# KiCad board SmallDSPMaxi.kicad_pcb (continued)
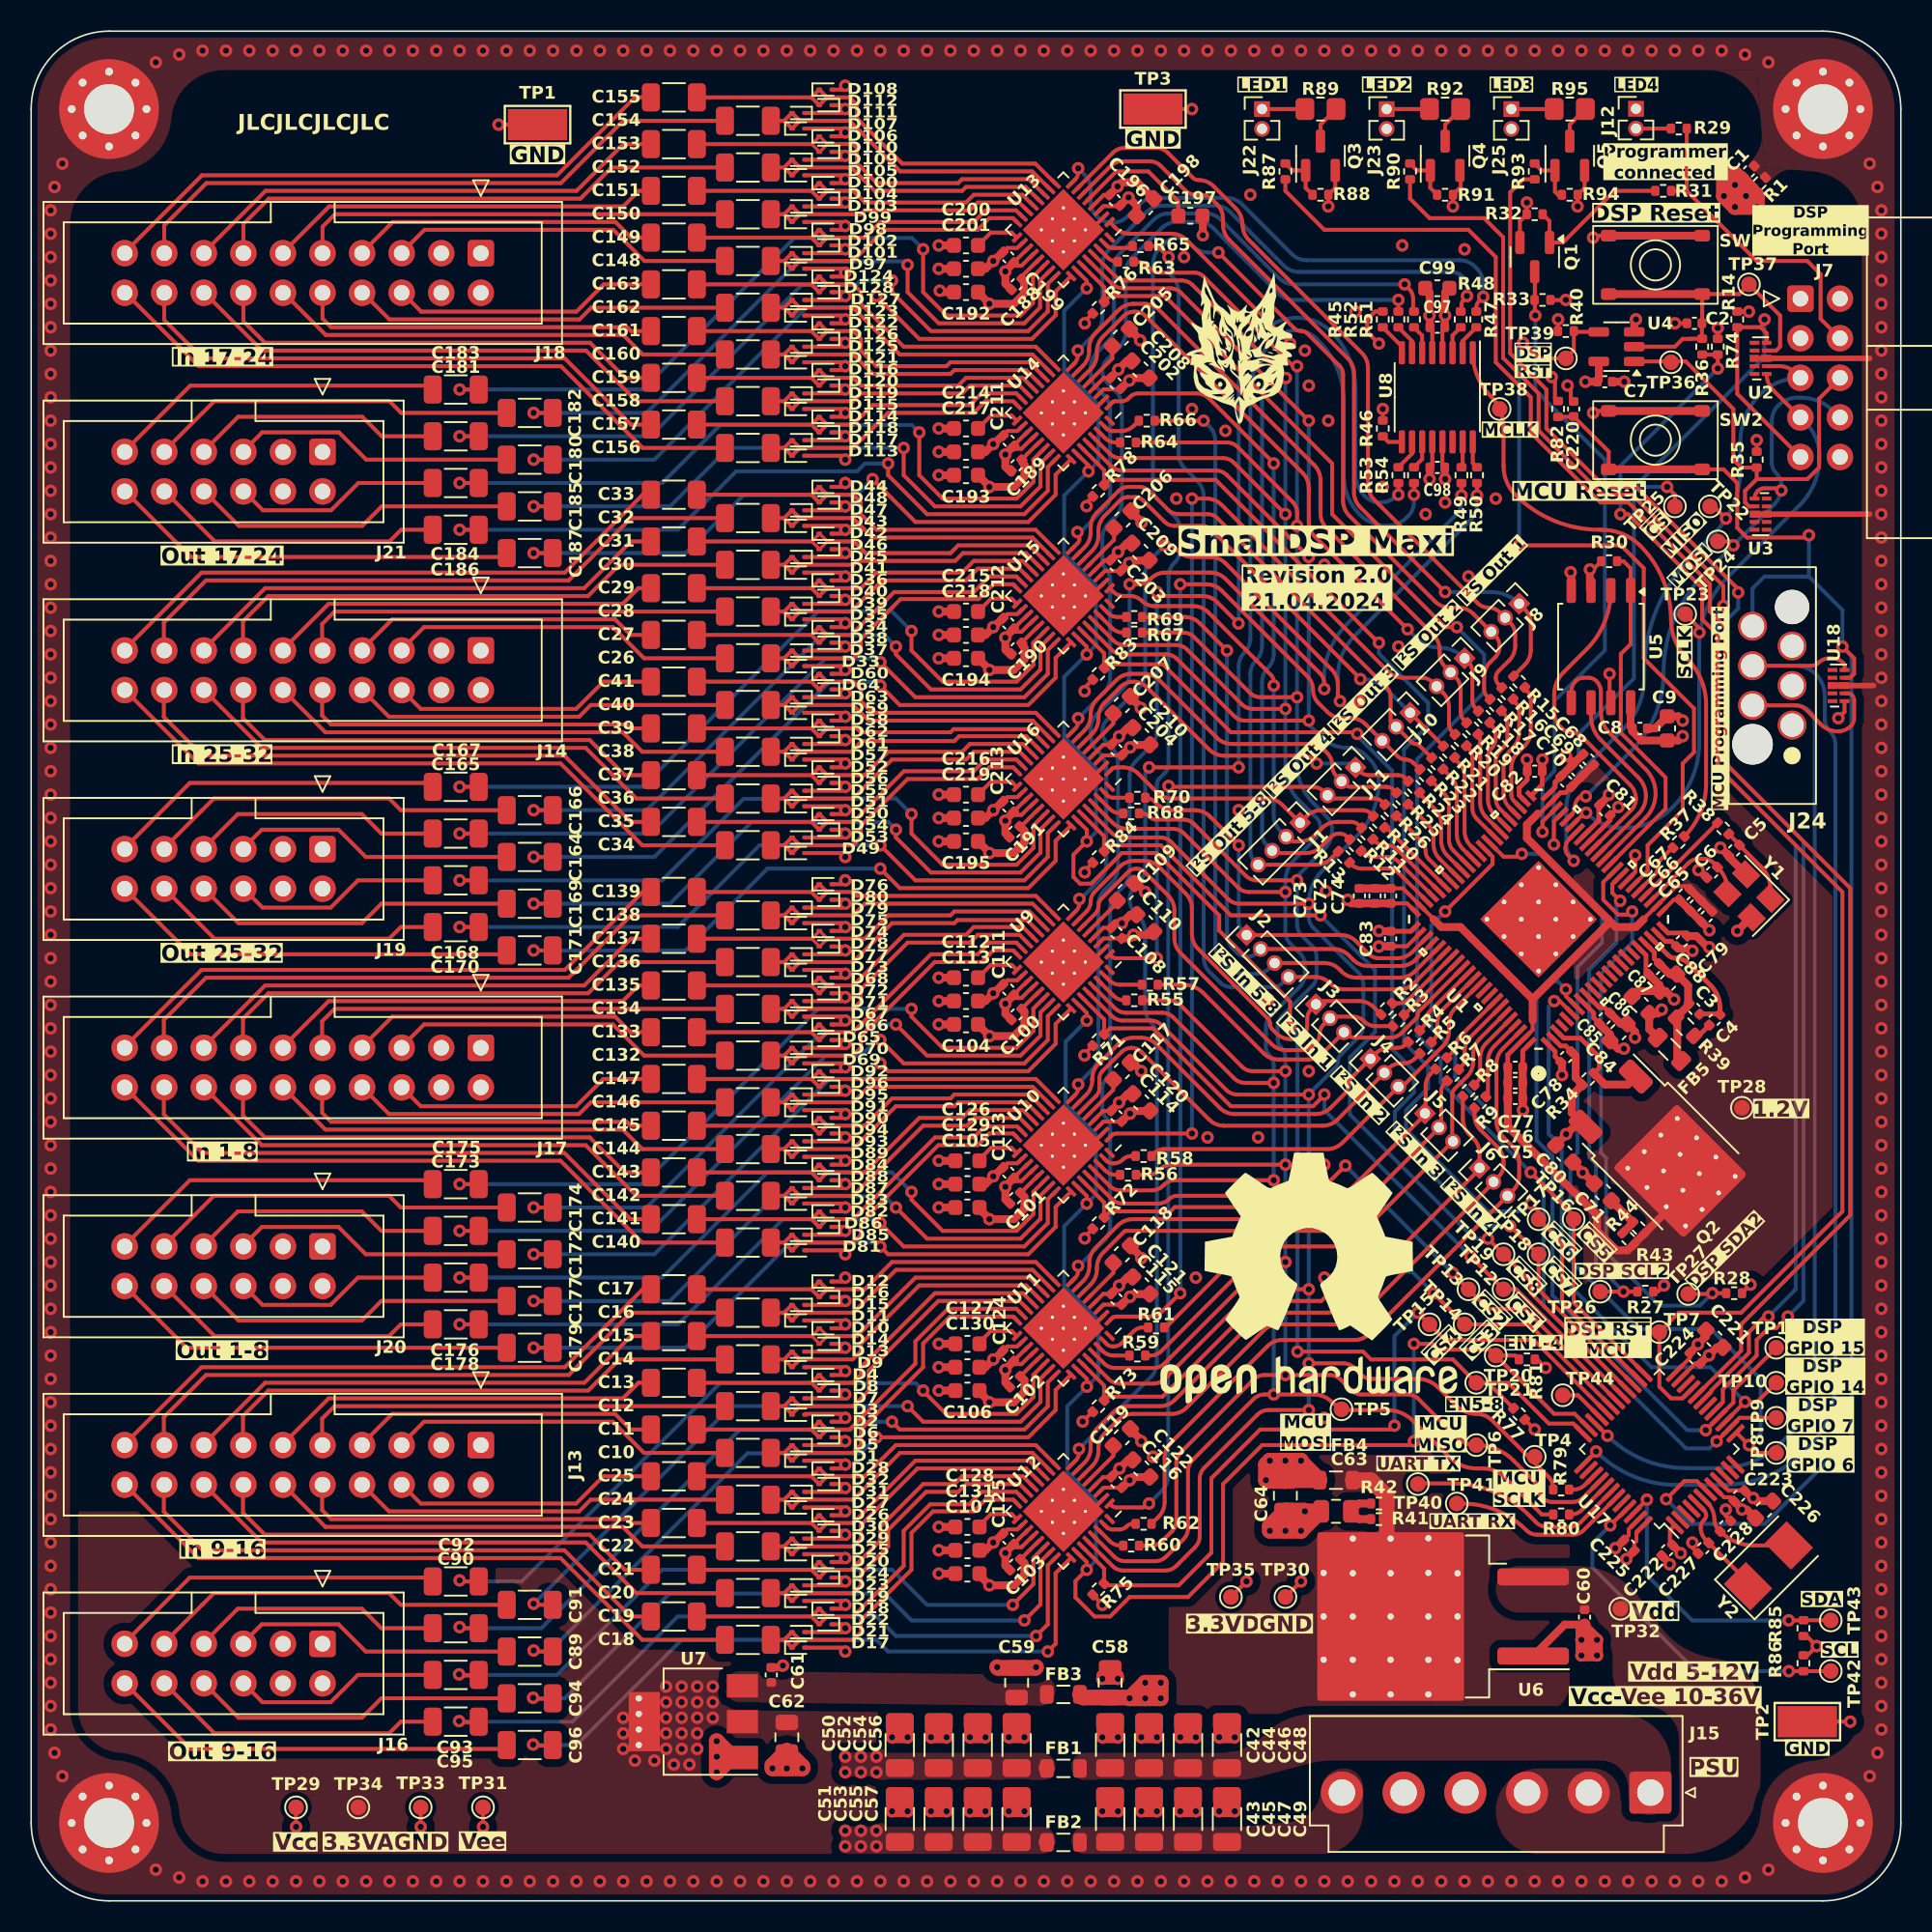
[diagram p0: board, top side]
## Routing (per net, layer and track width the routed paths; a pad name or vN(x,y) marks a point on that pad's centre or on a via; arc(x,y) is an arc through that point) (continued)
  Top w0.3: C82.2 96.98,71.65 U1.45 ; U1.18 103.64,60.7 103.64,59.64 C87.2 ; C78.2 97.81,54.19 97.81,54.51 U1.1 ; U1.88 95.73,54.56 C77.2 ; v1(101.87,70.2) 101.34,69.68 C81.2 101.34,69.36 U1.36 ; U1.67 88.56,62.23 C83.2 ; C85.2 100.29,56.66 100.29,56.99 U1.8 ; C70.2 97.81,71.81 97.81,71.49 U1.44 ; U1.21 104.88,61.59 105.26,61.59 C79.2
  Top w0.5: C188.2 62.53,103.79 v1(62.53,104.58) ; C60.2 98.42,17.73 U6.1 ; C113.2 v1(58.25,57.75) ; C69.2 99.59,73.59 ; C69.2 C70.2 ; C69.2 98.89,73.11 v1(98.5,73.5) ; C191.2 62.53,68.52 v1(62.53,69.33) ; 63.04,93.37 62.53,92.86 ; C78.2 98.25,53.75 v1(98.25,53) ; v1(48.25,15.1) 48.13,14.98 C61.2 ; C112.2 v1(58.25,59.25) ; C82.2 96.98,73.23 v1(97,73.25) ; v1(84.5,64.25) 84.73,64.02 C72.2 86,64.02 ; C100.2 62.53,56.93 v1(62.53,57.58) ; C216.2 v1(58.25,71) ; C122.2 70.4,28.3 v1(69.85,27.75) 69.32,27.22 ; C200.2 v1(58.25,106.25) ; C194.2 v1(58.25,79.75) ; v1(71.25,29.5) 71.25,29.57 70.53,30.28 ; C98.2 89.77,91.27 v1(89.75,91.25) ; Y1.4 110.37,63.12 v1(109.5,62.25) ; v1(58.32,103.34) 58.41,103.25 C192.2 ; C8.2 104.22,75.25 C9.2 105.73,76.03 v1(106,75.75) ; v1(62.53,22.33) 62.53,21.52 62.77,21.27 ; 69.31,74.19 69.82,74.71 v1(69.82,74.74) 70.37,75.28 70.69,75.28 ; 63.04,46.37 62.53,45.86 ; C202.2 69.78,98.26 v1(69.78,98.28) 70.32,98.83 C208.2 ; C205.2 71.18,100.19 ; Y1.2 108.96,66.99 C5.2 108.45,67.6 v1(108.42,67.6) ; 70.63,87.12 70.31,87.12 v1(69.76,86.57) 69.76,86.54 69.25,86.03 ; C67.2 C66.2 C65.2 107.71,62.32 v1(107.71,62.29) ; C219.2 v1(58.25,69.5) ; v1(107,66.16) 107.06,66.16 C6.2 ; C214.2 v1(58.25,94.5) ; 59.22,22.5 v1(58.25,22.5) ; 62.77,33.02 62.53,33.27 v1(62.53,34.08) ; v1(86.5,62.25) 86.52,62.23 C83.2 ; 70.95,65.3 v1(71.5,64.75) ; C201.2 v1(58.25,104.75) ; C221.2 108.19,35.52 v1(107.68,35.01) 107.65,35.01 C224.1 ; C218.2 v1(58.25,81.25) ; C195.2 v1(58.25,68) ; v1(95.75,50.75) 95.73,50.77 C75.2 C76.2 C77.2 ; C74.2 86,64.02 ; 86,64.02 C73.2 ; 59.22,35.75 v1(58.25,35.75) ; C79.2 105.74,61.11 106.49,61.11 v1(106.62,60.97) ; C97.2 89.77,101.73 v1(89.75,101.75) 89.75,103.22 C99.2 ; v1(71.25,41.25) 71.25,41.32 70.53,42.03 ; C226.2 110.12,25.11 v1(109.8,25.11) 109.8,25.14 C223.1 ; 59.22,21 v1(58.25,21) ; C222.1 105.16,21.66 v1(105.16,21.6) ; v1(105.45,57.85) 104.91,58.39 103.09,58.39 C86.2 ; U4.3 102.89,101.39 v1(103,101.5) ; C85.2 101.33,55.62 C84.2 101.84,54.69 v1(102.23,54.69) ; v1(98.81,85.27) 98.84,85.23 U5.4 ; C7.2 v1(102.25,97.5) ; 69.31,38.94 69.82,39.46 v1(69.82,39.49) 70.37,40.03 70.69,40.03 ; 59.22,44.5 v1(58.25,44.5) ; C193.2 v1(58.25,91.5) ; C196.2 69.73,110.01 v1(69.73,110.03) 69.99,110.3 71,110.3 C198.2 ; v1(62.53,81.08) 62.53,80.29 62.91,79.91 ; v1(62.53,92.83) 62.53,92.04 62.91,91.66 ; SW1.1 SW1.1 ; 110.41,109.78 110.58,109.95 110.58,109.99 C1.2 109.38,110.13 ; C108.2 69.61,62.75 v1(70,62.75) 70.55,63.3 C110.2 ; v1(75.2,106.9) 75.2,108.12 ; 63.04,81.62 62.53,81.11 ; C88.2 104.51,58.78 C87.2 ; C71.2 99.62,46.74 v1(99.58,46.74) 99.58,46.78 C80.2 ; 63.04,69.87 62.53,69.36 ; 59.22,46 v1(58.25,46) ; SW2.1 SW2.1 ; C217.2 v1(58.25,93) ; 69.31,50.69 69.82,51.21 v1(69.82,51.24) 70.37,51.78 70.69,51.78 ; 63.04,58.12 62.53,57.61 ; 70.53,77.28 71.22,76.59 ; C225.1 101.7,22.64 v1(101.67,22.64) ; 63.04,105.12 62.53,104.61 ; C104.2 v1(58.25,56.25) ; 59.22,32.75 v1(58.25,32.75) ; C215.2 v1(58.25,82.75) ; 62.77,44.77 62.53,45.02 v1(62.53,45.83) ; 59.22,24 v1(58.25,24) ; 63.04,34.62 62.53,34.11 ; 63.04,22.87 62.53,22.36 ; 70.58,89.19 71.27,88.5 ; 59.22,34.25 v1(58.25,34.25) ; 59.22,47.5 v1(58.25,47.5) ; 70.7,53.8 v1(71.25,53.25)
  Top w0.75: C50.2 56.25,10.98 v1(56.25,10.5) ; C50.2 55.75,11 ; C50.2 55.25,10.98 v1(55.25,10.5) ; v1(71.25,5.75) v1(72.25,5.75) ; v1(71.25,5.75) 71.25,6.23 C45.2 ; v1(71.25,5.75) 71.75,6.25 ; v1(72.25,5.75) 72.25,6.23 C45.2 ; v1(72.25,5.75) 71.75,6.25 ; C55.2 61.25,6.23 v1(61.25,5.75) ; C55.2 60.25,6.23 v1(60.25,5.75) ; C55.2 60.75,6.25 ; v1(63.75,10.5) 63.75,10.98 C56.2 ; v1(63.75,10.5) 63.25,11 ; v1(63.75,10.5) v1(62.75,10.5) ; v1(99.5,16.75) v1(100.5,15.75) ; v1(99.5,16.75) v1(100.5,16.75) ; v1(99.5,16.75) v1(99.5,15.75) v1(100.5,15.75) ; v1(99.5,16.75) 99.5,17.53 C60.2 99.7,17.55 v1(100.5,16.75) ; v1(100.5,15.75) v1(100.5,16.75) ; C48.2 76.75,11 ; C48.2 77.25,10.98 v1(77.25,10.5) ; C48.2 76.25,10.98 v1(76.25,10.5) ; 76.75,11 v1(76.25,10.5) ; 76.75,11 v1(77.25,10.5) ; v1(57.75,10.5) v1(58.75,10.5) ; v1(57.75,10.5) 58.25,11 ; v1(57.75,10.5) 57.75,10.98 C52.2 ; v1(58.75,10.5) 58.25,11 ; v1(58.75,10.5) 58.75,10.98 C52.2 ; 58.25,11 C52.2 ; C51.2 55.75,6.25 ; C51.2 55.25,6.23 v1(55.25,5.75) ; C51.2 56.25,6.23 v1(56.25,5.75) ; 55.75,6.25 v1(55.25,5.75) ; 55.75,6.25 v1(56.25,5.75) ; v1(56.25,5.75) v1(55.25,5.75) ; 100.45,16.8 v1(100.5,16.75) ; v1(69.75,5.75) 69.75,6.23 C43.2 ; v1(69.75,5.75) v1(68.75,5.75) ; v1(69.75,5.75) 69.25,6.25 ; C54.2 61.25,10.98 v1(61.25,10.5) ; C54.2 60.75,11 ; C54.2 60.25,10.98 v1(60.25,10.5) ; v1(62.75,5.75) 62.75,6.23 C57.2 ; v1(62.75,5.75) 63.25,6.25 ; v1(62.75,5.75) v1(63.75,5.75) ; C56.2 63.25,11 ; C56.2 62.75,10.98 v1(62.75,10.5) ; 60.75,11 v1(61.25,10.5) ; 60.75,11 v1(60.25,10.5) ; v1(61.25,10.5) v1(60.25,10.5) ; v1(73.75,10.5) v1(74.75,10.5) ; v1(73.75,10.5) 73.75,10.98 C46.2 ; v1(73.75,10.5) 74.25,11 ; v1(74.75,10.5) 74.75,10.98 C46.2 ; v1(74.75,10.5) 74.25,11 ; 60.75,6.25 v1(60.25,5.75) ; 60.75,6.25 v1(61.25,5.75) ; 69.25,6.25 v1(68.75,5.75) ; 69.25,6.25 C43.2 ; v1(68.75,5.75) 68.75,6.23 C43.2 ; v1(68.75,10.5) v1(69.75,10.5) ; v1(68.75,10.5) 68.75,10.98 C42.2 ; v1(68.75,10.5) 69.25,11 ; v1(69.75,10.5) 69.75,10.98 C42.2 ; v1(69.75,10.5) 69.25,11 ; v1(55.25,10.5) v1(56.25,10.5) ; v1(55.25,10.5) 55.75,11 ; v1(56.25,10.5) 55.75,11 ; C58.2 69.75,14.45 v1(69.75,14.25) ; C58.2 68.75,14.45 v1(68.75,14.25) ; C58.2 69.25,14.75 ; v1(76.25,5.75) v1(77.25,5.75) ; v1(76.25,5.75) 76.75,6.25 ; v1(76.25,5.75) 76.25,6.23 C49.2 ; v1(77.25,5.75) 77.25,6.23 C49.2 ; v1(77.25,5.75) 76.75,6.25 ; v1(71.25,10.5) v1(72.25,10.5) ; v1(71.25,10.5) 71.25,10.98 C44.2 ; v1(71.25,10.5) 71.75,11 ; v1(72.25,10.5) 71.75,11 ; v1(72.25,10.5) 72.25,10.98 C44.2 ; 69.25,14.75 v1(69.75,14.25) ; 69.25,14.75 v1(68.75,14.25) ; v1(69.75,14.25) v1(68.75,14.25) ; v1(76.25,10.5) v1(77.25,10.5) ; v1(60.25,5.75) v1(61.25,5.75) ; v1(73.75,5.75) v1(74.75,5.75) ; v1(73.75,5.75) 73.75,6.23 C47.2 ; v1(73.75,5.75) 74.25,6.25 ; v1(74.75,5.75) 74.25,6.25 ; v1(74.75,5.75) 74.75,6.23 C47.2 ; 63.25,11 v1(62.75,10.5) ; C49.2 76.75,6.25 ; 63.25,6.25 v1(63.75,5.75) ; 63.25,6.25 C57.2 ; v1(63.75,5.75) 63.75,6.23 C57.2 ; C46.2 74.25,11 ; C44.2 71.75,11 ; 58.25,6.25 v1(58.75,5.75) ; 58.25,6.25 C53.2 ; 58.25,6.25 v1(57.75,5.75) ; v1(58.75,5.75) v1(57.75,5.75) ; v1(58.75,5.75) 58.75,6.23 C53.2 ; C47.2 74.25,6.25 ; 69.25,11 C42.2 ; 71.75,6.25 C45.2 ; C53.2 57.75,6.23 v1(57.75,5.75)
  Top w1: C64.2 81.7,25.05 v1(81.75,25) ; C64.2 79.5,24.05 v1(79.5,23.75) v1(81.5,23.75) ; C64.2 v1(80.5,23.75) ; C64.2 81.5,24.05 v1(81.5,23.75) ; v1(110.77,108.72) 110.77,109.42 110.41,109.78 v1(110.06,109.42) ; v1(110.77,108.72) v1(109.35,108.72) ; v1(110.77,108.72) v1(110.06,109.42) ; v1(108.64,110.84) v1(108.64,109.42) ; v1(108.64,110.84) 109.35,110.84 109.72,110.47 ; v1(108.64,110.84) 108.84,110.65 ; v1(108.64,110.84) v1(109.35,110.13) ; v1(108.64,109.42) v1(109.35,108.72) ; v1(108.64,109.42) v1(109.35,110.13) ; v1(62,15) 62.05,14.95 C59.2 64.45,14.95 v1(64.5,15) ; U7.1 44.05,9.2 v1(44,9.25) ; U7.1 45.05,9.2 v1(44,10.25) v1(44,8.25) 44.95,9.2 U7.1 ; v1(81.75,25) C63.2 82.75,25 v1(81.5,23.75) ; v1(81.75,25) 81.5,24.75 v1(81.5,23.75) ; v1(109.35,110.13) 109.38,110.13 110.06,109.45 v1(110.06,109.42) ; v1(109.35,108.72) v1(110.06,109.42) ; v1(48.5,8.5) v1(47.58,8.5) 47.58,8.7 48.5,9.63 ; v1(48.5,8.5) v1(49.5,8.5) 49.5,8.62 48.5,9.63 ; v1(48.5,8.5) 48.5,9.63
  In1.Cu w0.5: J7.10 116.09,90.81
  vias: v1(71.18,100.16) v1(71.22,76.56) v1(71.27,88.47) v1(72,28.5) v1(73.5,90) v1(74,105.5) v1(74.5,95.75) v1(74.75,40) v1(75.5,49) v1(76.65,94.35) v1(76.75,42) v1(77.5,70) v1(78.25,109.5) v1(78.75,49) v1(79.4,57.85) v1(81.75,99.5) v1(82,97.25) v1(82,53.25) v1(83,85.75) v1(83,47.25) v1(83,40) v1(83,31) v1(83.1,64.8) v1(83.25,95) v1(85,102) v1(85.25,77) v1(86.75,90.75) v1(87.75,80.5) v1(88,106.25) v1(89.5,89) v1(90.75,89.75) v1(92,106) v1(92.25,85) v1(94,90) v1(96,109)
VCC: length 1.3
  Top w0.25: TP29.1 v1(17,4.75)
  Top w1: 65.16,8.52 FB1.2
  vias: v1(52.25,9.25) v1(52.25,8.25) v1(53.25,9.25) v1(53.25,8.25) v1(54.25,9.25) v1(54.25,8.25)
VEE: length 1.3
  Top w0.25: TP31.1 v1(29,4.75)
  Top w1: 65.16,3.77 FB2.2
  vias: v1(52.25,4.5) v1(52.25,3.5) v1(53.25,4.5) v1(53.25,3.5) v1(54.25,4.5) v1(54.25,3.5)
/Codecs 1-4/Analog Inputs1/In L1+: length 22.2
  Top w0.25: 44.5,54.25 39.34,54.25 37.34,56.25 25.22,56.25 23.76,54.79
/Codecs 1-4/Analog Inputs1/In L1-: length 19.8
  Top w0.25: 21.22,54.79 23.17,56.75 37.47,56.75 38.47,55.75 39.75,55.75
/Codecs 1-4/Analog Inputs1/In L2+: length 34.2
  Top w0.25: 44.5,60.25 37.75,60.25 35.75,58.25 15.22,58.25 13.59,56.62 13.59,54.79
/Codecs 1-4/Analog Inputs1/In L2-: length 31.6
  Top w0.25: 39.75,61.75 38.5,61.75 35.5,58.75 15.01,58.75 11.05,54.79
/Codecs 1-4/Analog Inputs1/In L3+: length 42.7
  Top w0.25: 44.5,42.25 39.22,42.25 33.97,47.5 10.72,47.5 5.97,52.25
/Codecs 1-4/Analog Inputs1/In L3-: length 35.8
  Top w0.25: 8.52,52.25 8.52,50.48 11,48 34.22,48 38.47,43.75 39.75,43.75
/Codecs 1-4/Analog Inputs1/In L4+: length 30
  Top w0.25: 44.5,48.25 39.22,48.25 37.97,49.5 18.89,49.5 16.14,52.25
/Codecs 1-4/Analog Inputs1/In L4-: length 23.1
  Top w0.25: 18.67,52.25 18.67,50.58 19.25,50 38.22,50 38.47,49.75 39.75,49.75
/Codecs 1-4/Analog Inputs1/In R1+: length 27.8
  Top w0.25: 18.67,54.79 18.67,56.45 19.47,57.25 C134.1
/Codecs 1-4/Analog Inputs1/In R1-: length 25.3
  Top w0.25: 39.75,58.75 38.97,58.75 37.97,57.75 19.09,57.75 16.14,54.79
/Codecs 1-4/Analog Inputs1/In R2+: length 40.5
  Top w0.25: 8.52,54.79 8.52,56.54 11.22,59.25 34.5,59.25 38.5,63.25 44.5,63.25
/Codecs 1-4/Analog Inputs1/In R2-: length 37.9
  Top w0.25: 5.97,54.79 10.94,59.75 34.25,59.75 39.25,64.75 39.75,64.75
/Codecs 1-4/Analog Inputs1/In R3+: length 36.3
  Top w0.25: 11.06,52.25 14.81,48.5 35.59,48.5 38.84,45.25 44.5,45.25
/Codecs 1-4/Analog Inputs1/In R3-: length 29.5
  Top w0.25: 13.59,52.25 13.59,50.41 15,49 35.85,49 38.1,46.75 39.75,46.75
/Codecs 1-4/Analog Inputs1/In R4+: length 24.3
  Top w0.25: 21.22,52.25 22.97,50.5 35.17,50.5 35.92,51.25 44.5,51.25
/Codecs 1-4/Analog Inputs1/In R4-: length 17.2
  Top w0.25: 23.75,52.25 25,51 34.97,51 36.72,52.75 39.75,52.75
/Codecs 1-4/Analog Inputs2/In L1+: length 22.2
  Top w0.25: 23.76,29.29 25.22,30.75 37.34,30.75 39.34,28.75 44.5,28.75
/Codecs 1-4/Analog Inputs2/In L1-: length 19.8
  Top w0.25: 21.22,29.29 23.17,31.25 37.47,31.25 38.47,30.25 39.75,30.25
/Codecs 1-4/Analog Inputs2/In L2+: length 34.2
  Top w0.25: 44.5,34.75 37.75,34.75 35.75,32.75 15.22,32.75 13.59,31.12 13.59,29.29
/Codecs 1-4/Analog Inputs2/In L2-: length 31.6
  Top w0.25: 39.75,36.25 38.5,36.25 35.5,33.25 15.01,33.25 11.05,29.29
/Codecs 1-4/Analog Inputs2/In L3+: length 42.7
  Top w0.25: 44.5,16.75 39.22,16.75 33.97,22 10.72,22 5.97,26.75
/Codecs 1-4/Analog Inputs2/In L3-: length 35.8
  Top w0.25: 39.75,18.25 38.47,18.25 34.22,22.5 11,22.5 8.52,24.99 8.52,26.75
/Codecs 1-4/Analog Inputs2/In L4+: length 30
  Top w0.25: 44.5,22.75 39.22,22.75 37.97,24 18.89,24 16.14,26.75
/Codecs 1-4/Analog Inputs2/In L4-: length 23.1
  Top w0.25: 18.67,26.75 18.67,25.07 19.25,24.5 38.22,24.5 38.47,24.25 39.75,24.25
/Codecs 1-4/Analog Inputs2/In R1+: length 27.8
  Top w0.25: 18.67,29.29 18.67,30.95 19.47,31.75 C12.1
/Codecs 1-4/Analog Inputs2/In R1-: length 25.3
  Top w0.25: 39.75,33.25 38.97,33.25 37.97,32.25 19.09,32.25 16.14,29.29
/Codecs 1-4/Analog Inputs2/In R2+: length 40.5
  Top w0.25: 44.5,37.75 38.5,37.75 34.5,33.75 11.22,33.75 8.52,31.04 8.52,29.29
/Codecs 1-4/Analog Inputs2/In R2-: length 37.9
  Top w0.25: 39.75,39.25 39.25,39.25 34.25,34.25 10.94,34.25 5.97,29.29
/Codecs 1-4/Analog Inputs2/In R3+: length 36.3
  Top w0.25: 11.06,26.75 14.81,23 35.59,23 38.84,19.75 44.5,19.75
/Codecs 1-4/Analog Inputs2/In R3-: length 29.5
  Top w0.25: 39.75,21.25 38.1,21.25 35.85,23.5 15,23.5 13.59,24.91 13.59,26.75
/Codecs 1-4/Analog Inputs2/In R4+: length 24.3
  Top w0.25: 44.5,25.75 35.92,25.75 35.17,25 22.97,25 21.22,26.75
/Codecs 1-4/Analog Inputs2/In R4-: length 17.2
  Top w0.25: 39.75,27.25 36.72,27.25 34.97,25.5 25,25.5 23.75,26.75
/Codecs 1-4/Analog Outputs1/Out L1: length 21.3
  Top w0.25: 25.5,46.25 10.18,46.25 5.97,42.04
/Codecs 1-4/Analog Outputs1/Out L2: length 16.1
  Top w0.25: 11.06,42.04 13.26,44.25 21.22,44.25 22.47,43 25.75,43
/Codecs 1-4/Analog Outputs1/Out L3: length 13.4
  Top w0.25: 25.75,40 20.97,40 19.22,38.25 14.85,38.25 13.59,39.5
/Codecs 1-4/Analog Outputs1/Out L4: length 18.9
  Top w0.25: 8.52,39.5 11.77,36.25 22.97,36.25 23.72,37 25.75,37
/Codecs 1-4/Analog Outputs1/Out R1: length 23.6
  Top w0.25: 30.5,44.5 23.72,44.5 22.97,45.25 11.72,45.25 10.97,44.5 10.97,44.5 8.52,42.04
/Codecs 1-4/Analog Outputs1/Out R2: length 18.1
  Top w0.25: 30.5,41.5 21.47,41.5 19.72,43.25 14.8,43.25 13.6,42.04
/Codecs 1-4/Analog Outputs1/Out R3: length 20.9
  Top w0.25: 11.06,39.5 13.31,37.25 21.22,37.25 22.47,38.5 30.5,38.5
/Codecs 1-4/Analog Outputs1/Out R4: length 26
  Top w0.25: 5.97,39.5 9.98,35.5 30,35.5 30.25,35.25
/Codecs 1-4/Analog Outputs2/Out L1: length 21.3
  Top w0.25: 25.5,20.75 10.18,20.75 5.97,16.54
/Codecs 1-4/Analog Outputs2/Out L2: length 16.1
  Top w0.25: 25.75,17.5 22.47,17.5 21.22,18.75 13.26,18.75 11.06,16.54
/Codecs 1-4/Analog Outputs2/Out L3: length 13.4
  Top w0.25: 25.75,14.5 20.97,14.5 19.22,12.75 14.85,12.75 13.59,14
/Codecs 1-4/Analog Outputs2/Out L4: length 18.9
  Top w0.25: 25.75,11.5 23.72,11.5 22.97,10.75 11.77,10.75 8.52,14
/Codecs 1-4/Analog Outputs2/Out R1: length 23.6
  Top w0.25: 8.52,16.54 10.97,19 10.97,19 11.72,19.75 22.97,19.75 23.72,19 30.5,19
/Codecs 1-4/Analog Outputs2/Out R2: length 18.1
  Top w0.25: 30.5,16 21.47,16 19.72,17.75 14.8,17.75 13.6,16.54
/Codecs 1-4/Analog Outputs2/Out R3: length 20.9
  Top w0.25: 11.06,14 13.31,11.75 21.22,11.75 22.47,13 30.5,13
/Codecs 1-4/Analog Outputs2/Out R4: length 26
  Top w0.25: 5.97,14 10.23,9.75 30.25,9.75
/Codecs 1-4/In L1+: length 21
  Top w0.25: 49.33,54.25 52.75,54.25 53.25,54.75 53.25,55.51 57.99,60.26 58,60.25 61,60.25 61.75,61 63.03,61 63.28,60.75 ; 49.33,54.25 D69.2 48.33,54.25 ; 49.33,54.25 D65.1 48.33,54.25 ; 48.33,54.25 C132.2
/Codecs 1-4/In L1-: length 25.3
  Top w0.25: 50.08,55.75 D66.1 51.08,55.75 ; 50.08,55.75 D70.2 51.08,55.75 ; 50.08,55.75 C133.2 ; 51.08,55.75 52.75,55.75 57.75,60.75 60.75,60.75 61.5,61.5 63.24,61.5 63.63,61.1
/Codecs 1-4/In L2+: length 20.5
  Top w0.25: 48.33,60.25 D73.1 49.33,60.25 ; 48.33,60.25 C136.2 ; 48.33,60.25 D77.2 49.33,60.25 ; 49.33,60.25 52.75,60.25 55.25,62.75 59.25,62.75 59.45,62.95 63.91,62.95 64.69,62.16
/Codecs 1-4/In L2-: length 25.3
  Top w0.2: 50.61,61.25 51.11,61.75 50.61,62.25 50.11,61.75 50.61,61.25
  Top w0.25: 65.05,62.52 64.07,63.5 59.25,63.5 59,63.25 55,63.25 53.5,61.75 51.11,61.75 ; 50.11,61.75 C137.2
/Codecs 1-4/In L3+: length 21.5
  Top w0.25: U10.16 63.03,49.25 61.5,49.25 60.75,48.5 58.22,48.5 53.25,43.53 53.25,42.74 52.76,42.25 49.33,42.25 ; 48.33,42.25 D81.1 49.33,42.25 ; 48.33,42.25 D85.2 49.33,42.25 ; 48.33,42.25 C140.2 ; 63.28,49 63.03,49.25
/Codecs 1-4/In L3-: length 25.3
  Top w0.25: 51.08,43.75 D82.1 50.08,43.75 ; 51.08,43.75 D86.2 50.08,43.75 ; 51.08,43.75 52.76,43.75 58.01,49 60.5,49 61.2,49.7 63.29,49.7 63.63,49.35 ; 50.08,43.75 C141.2
/Codecs 1-4/In L4+: length 20.6
  Top w0.25: 48.33,48.25 D93.2 49.33,48.25 ; 48.33,48.25 C144.2 ; 48.33,48.25 D89.1 49.33,48.25 ; 64.69,50.41 63.86,51.25 59.5,51.25 59.25,51 55.5,51 52.75,48.25 49.33,48.25
/Codecs 1-4/In L4-: length 25.4
  Top w0.25: 50.08,49.75 D94.2 51.08,49.75 ; 50.08,49.75 C145.2 ; 50.08,49.75 D90.1 51.08,49.75 ; 51.08,49.75 53.5,49.75 55.25,51.5 59,51.5 59.25,51.75 64.07,51.75 65.05,50.77
/Codecs 1-4/In L5+: length 22.8
  Top w0.25: 48.33,28.75 D5.2 49.33,28.75 ; 48.33,28.75 D1.1 49.33,28.75 ; 48.33,28.75 C10.2 ; 49.33,28.75 52.75,28.75 53.25,29.25 53.25,30.25 57.25,34.25 57.25,35.78 58.97,37.5 63.03,37.5 63.28,37.25
/Codecs 1-4/In L5-: length 27
  Top w0.25: 51.08,30.25 D2.1 50.08,30.25 ; 51.08,30.25 52.53,30.25 56.75,34.47 56.75,35.91 58.84,38 63.24,38 63.63,37.6 ; 51.08,30.25 D6.2 50.08,30.25 ; 50.08,30.25 C11.2
/Codecs 1-4/In L6+: length 21.6
  Top w0.25: 49.33,34.75 D9.1 48.33,34.75 ; 49.33,34.75 52.72,34.75 53.25,35.28 53.25,35.75 57,39.5 63.86,39.5 64.69,38.66 ; 49.33,34.75 D13.2 48.33,34.75 ; 48.33,34.75 C14.2
/Codecs 1-4/In L6-: length 26.1
  Top w0.2: 50.11,36.25 50.61,36.75 51.11,36.25 50.61,35.75 50.11,36.25
  Top w0.25: 65.05,39.02 64.07,40 56.75,40 53,36.25 51.11,36.25 ; 50.11,36.25 C15.2
/Codecs 1-4/In L7+: length 23.3
  Top w0.25: 48.33,16.75 C18.2 ; 48.33,16.75 D17.1 49.33,16.75 ; 48.33,16.75 D21.2 49.33,16.75 ; 63.28,25.5 63.03,25.75 61.25,25.75 60.5,25 57.89,25 56.5,23.61 56.5,21.25 53.25,18 53.25,17.24 52.76,16.75 49.33,16.75
/Codecs 1-4/In L7-: length 27.5
  Top w0.25: 50.08,18.25 D18.1 51.08,18.25 ; 50.08,18.25 D22.2 51.08,18.25 ; 50.08,18.25 C19.2 ; 51.08,18.25 52.75,18.25 56,21.5 56,23.75 57.7,25.45 60.2,25.45 61,26.25 63.24,26.25 63.63,25.85
/Codecs 1-4/In L8+: length 22
  Top w0.25: 49.33,22.75 D25.1 48.33,22.75 ; 49.33,22.75 52.76,22.75 53.25,23.24 53.25,24.11 56.89,27.75 63.86,27.75 64.69,26.91 ; 49.33,22.75 D29.2 48.33,22.75 ; 48.33,22.75 C22.2
/Codecs 1-4/In L8-: length 26.2
  Top w0.25: 51.08,24.25 D26.1 50.08,24.25 ; 51.08,24.25 D30.2 50.08,24.25 ; 51.08,24.25 52.75,24.25 56.75,28.25 64.07,28.25 65.05,27.27 ; 50.08,24.25 C23.2
/Codecs 1-4/In R1+: length 21
  Top w0.25: 48.33,57.25 C134.2 ; 48.33,57.25 D71.2 49.33,57.25 ; 48.33,57.25 D67.1 49.33,57.25 ; 63.99,61.46 63.44,62 60.75,62 60.25,61.5 56.25,61.5 53.25,58.5 53.25,57.74 52.76,57.25 49.33,57.25
/Codecs 1-4/In R1-: length 25.3
  Top w0.25: 50.08,58.75 C135.2 ; 50.08,58.75 D72.2 51.08,58.75 ; 50.08,58.75 D68.1 51.08,58.75 ; 51.08,58.75 52.76,58.75 56.01,62 60,62 60.5,62.5 63.65,62.5 64.34,61.81
/Codecs 1-4/In R2+: length 20.5
  Top w0.25: 65.4,62.87 64.27,64 53.51,64 52.76,63.25 49.33,63.25 ; 48.33,63.25 D75.1 49.33,63.25 ; 48.33,63.25 D79.2 49.33,63.25 ; 48.33,63.25 C138.2
/Codecs 1-4/In R2-: length 25.5
  Top w0.25: C139.2 50.11,64.75 ; 50.11,64.75 50.11,64.78 D76.1 51.08,64.75 ; 50.11,64.75 50.11,64.72 D80.2 51.08,64.75 ; 51.08,64.75 52.75,64.75 53,64.5 64.48,64.5 65.75,63.22
/Codecs 1-4/In R3+: length 20.6
  Top w0.25: 48.33,45.25 C142.2 ; 48.33,45.25 D87.2 49.33,45.25 ; 48.33,45.25 D83.1 49.33,45.25 ; 49.33,45.25 52.75,45.25 57.25,49.75 60.06,49.75 60.56,50.25 63.44,50.25 63.99,49.71
/Codecs 1-4/In R3-: length 25.4
  Top w0.25: 50.08,46.75 C143.2 ; 50.08,46.75 D84.1 51.08,46.75 ; 50.08,46.75 D88.2 51.08,46.75 ; 51.08,46.75 53.5,46.75 57,50.25 59.75,50.25 60.25,50.75 63.65,50.75 64.34,50.06
/Codecs 1-4/In R4+: length 20.6
  Top w0.25: 49.33,51.25 D91.1 48.33,51.25 ; 49.33,51.25 52.76,51.25 53.76,52.25 64.27,52.25 65.4,51.12 ; 49.33,51.25 D95.2 48.33,51.25 ; 48.33,51.25 C146.2
/Codecs 1-4/In R4-: length 25.4
  Top w0.25: 50.08,52.75 D96.2 51.08,52.75 ; 50.08,52.75 D92.1 51.08,52.75 ; 50.08,52.75 C147.2 ; 51.08,52.75 64.48,52.75 65.75,51.47
/Codecs 1-4/In R5+: length 22.1
  Top w0.25: 48.33,31.75 D7.2 49.33,31.75 ; 48.33,31.75 48.83,31.25 49.33,31.75 ; 48.33,31.75 C12.2 ; 49.33,31.75 52.76,31.75 53.75,32.74 53.75,34.02 58.23,38.5 63.44,38.5 63.99,37.96
/Codecs 1-4/In R5-: length 26.4
  Top w0.25: 50.08,33.25 D4.1 51.08,33.25 ; 50.08,33.25 D8.2 51.08,33.25 ; 50.08,33.25 C13.2 ; 51.08,33.25 52.75,33.25 53.25,33.75 53.25,34.25 58,39 63.65,39 64.34,38.31
/Codecs 1-4/In R6+: length 21.4
  Top w0.25: 48.33,37.75 D15.2 49.33,37.75 ; 48.33,37.75 C16.2 ; 48.33,37.75 D11.1 49.33,37.75 ; 65.4,39.37 64.27,40.5 55.51,40.5 52.76,37.75 49.33,37.75
/Codecs 1-4/In R6-: length 26.1
  Top w0.25: 51.08,39.25 D16.2 50.11,39.22 50.11,39.25 ; 51.08,39.25 53.5,39.25 55.25,41 64.48,41 65.75,39.72 ; 51.08,39.25 D12.1 50.11,39.28 50.11,39.25 ; 50.11,39.25 C17.2
/Codecs 1-4/In R7+: length 22.5
  Top w0.25: 48.33,19.75 D23.2 49.33,19.75 ; 48.33,19.75 C20.2 ; 48.33,19.75 D19.1 49.33,19.75 ; 63.99,26.21 63.44,26.75 60,26.75 59.5,26.25 57.44,26.25 55,23.81 55,22.75 53.25,21 53.25,20.24 52.76,19.75 49.33,19.75
/Codecs 1-4/In R7-: length 26.7
  Top w0.25: 50.08,21.25 C21.2 ; 50.08,21.25 D24.2 51.08,21.25 ; 50.08,21.25 D20.1 51.08,21.25 ; 64.34,26.56 63.65,27.25 59.75,27.25 59.25,26.75 57.25,26.75 54.5,24 54.5,23.12 52.62,21.25 51.08,21.25
/Codecs 1-4/In R8+: length 21.5
  Top w0.25: 49.33,25.75 52.76,25.75 55.76,28.75 64.27,28.75 65.4,27.62 ; 49.33,25.75 D31.2 48.33,25.75 ; 49.33,25.75 D27.1 48.33,25.75 ; 48.33,25.75 C24.2
/Codecs 1-4/In R8-: length 26.2
  Top w0.25: 51.08,27.25 D28.1 50.08,27.25 ; 51.08,27.25 D32.2 50.08,27.25 ; 51.08,27.25 53.5,27.25 55.5,29.25 64.48,29.25 65.75,27.97 ; 50.08,27.25 C25.2
/Codecs 1-4/Out L1: length 46.9
  Top w0.25: U9.22 64.32,57.26 64.32,55.83 63.25,54.75 ; v1(56.5,57.25) 56.5,56.75 58.5,54.75 63.24,54.75 ; C175.2 v1(27.5,46)
  Bottom w0.25: v1(27.5,46) 39.25,46 50.5,57.25 v1(56.5,57.25)
/Codecs 1-4/Out L2: length 47.5
  Top w0.25: 65.75,57.29 65.25,56.78 65.25,55.25 63.75,53.75 ; C173.2 v1(27.5,43) ; 63.74,53.75 56,53.75 v1(54.5,55.25)
  Bottom w0.25: v1(54.5,55.25) 54.25,55.25 53.22,54.22 50.97,54.22 39.75,43 v1(27.5,43)
/Codecs 1-4/Out L3: length 45.6
  Top w0.25: U10.22 64.32,45.51 64.32,44.08 63.25,43 ; C176.2 v1(27.5,40) ; 63.24,43 58.5,43 56.5,45 v1(56.5,45.5)
  Bottom w0.25: v1(56.5,45.5) 55.25,46.75 47.25,46.75 40.5,40 v1(27.5,40)
